# Altium PCB board.PcbDoc (part 1 of 4)
Units mm, origin at the board's own origin, x right, y up, seen from the top; angles counter-clockwise.
Board outline 300 x 184 mm, 2 copper layers (Top Layer, Bottom Layer); 398 components, 261 nets, 1329 pads, 584 vias.
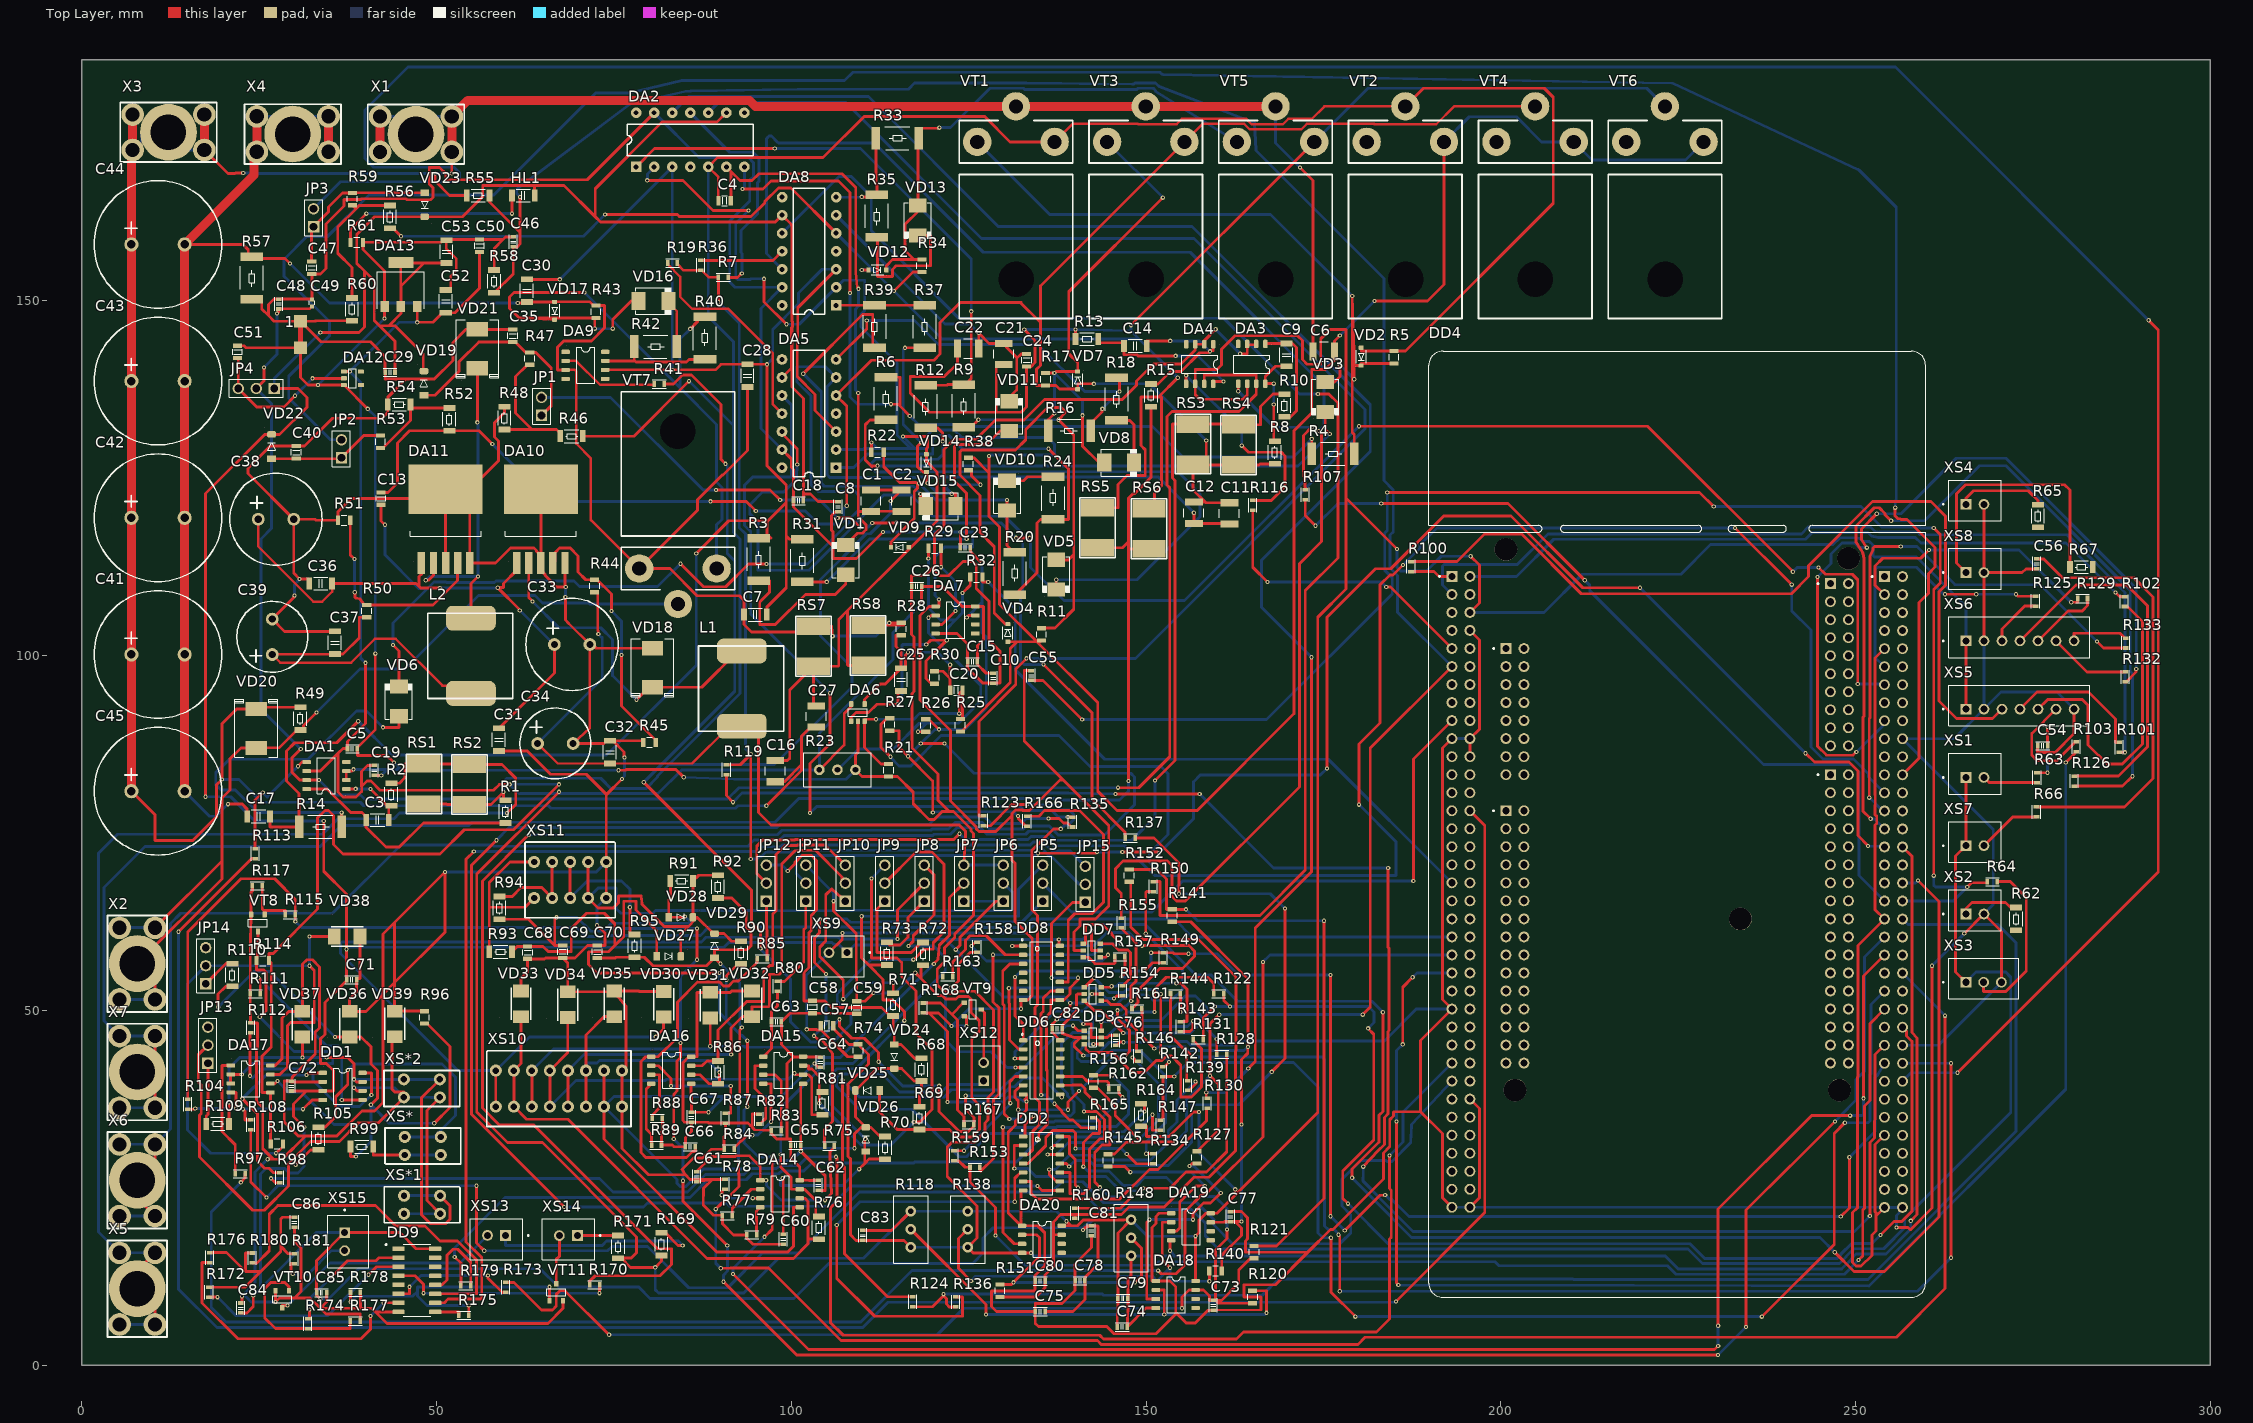
[diagram p0: Top Layer view]
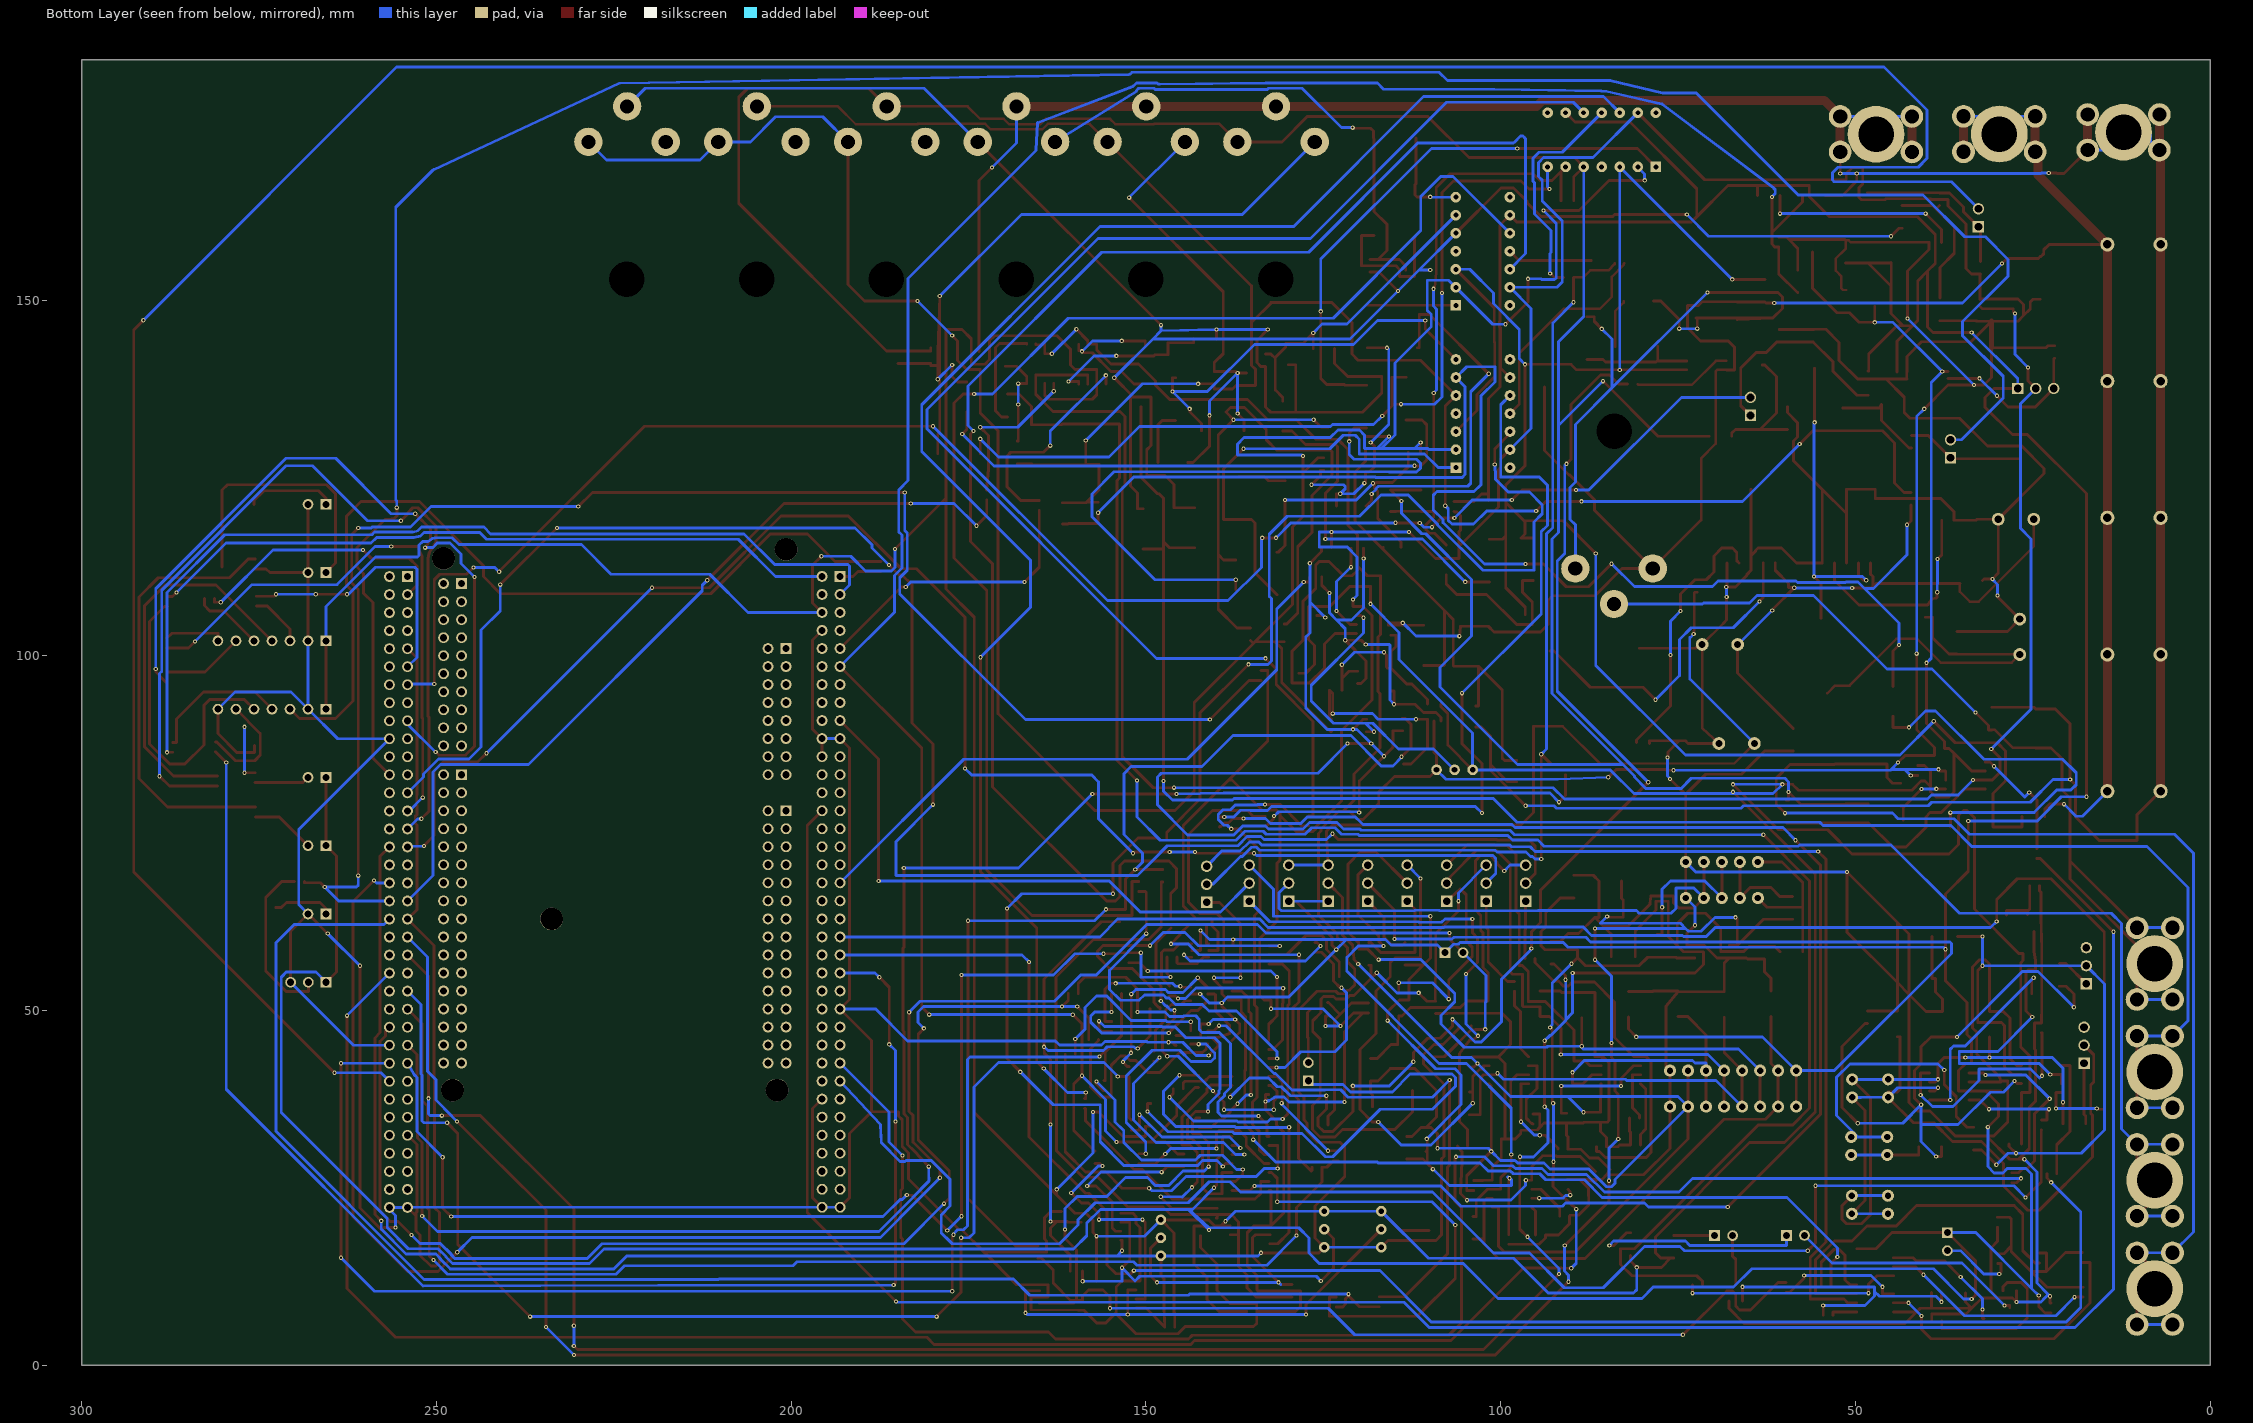
[diagram p1: Bottom Layer view, seen from below]

## Layer stack, top to bottom
Top Solder: solder mask 0.0102, Solder Resist, Dk 3.5
Top Layer: signal copper 0.009
Dielectric 1: dielectric 0.32, FR-4, Dk 4.8
Bottom Layer: signal copper 0.009
Bottom Solder: solder mask 0.0102, Solder Resist, Dk 3.5

## Board outline
0,0 0,184 300,184 300,0

## Design rules (kind name [scope] priority, off if disabled: settings)
AcuteAngle [All] p1: minimum=3.50000000000000E+0001 checktracksonly=FALSE
BoardOutlineClearance "BoardOutlineClearance 1" [All] p1: gap=0.25 ignorepadtopadclearanceinfootprint=FALSE except(0: Arc-SplitContinuation Track-SplitContinuation SMDPad-SplitContinuation THPad-SplitContinuation Via-SplitContinuation Fill-SplitContinuation Poly-SplitContinuation Region-SplitContinuation Text-SplitContinuation) // Milling
BoardOutlineClearance "BoardOutlineClearance 2" [All] p2: gap=0.4 ignorepadtopadclearanceinfootprint=FALSE except(0: Arc-SplitContinuation Track-SplitContinuation SMDPad-SplitContinuation THPad-SplitContinuation Via-SplitContinuation Fill-SplitContinuation Poly-SplitContinuation Region-SplitContinuation Text-SplitContinuation) // V-Cut
Clearance "Clearance 3 Oz" [All] p1: gap=0.35 ignorepadtopadclearanceinfootprint=FALSE except(0.25: Arc-Hole Track-Hole SMDPad-Hole THPad-Hole Via-Hole Fill-Hole Poly-Hole Region-Hole Text-Hole)
Clearance "Clearance 2 Oz" [All] p2: gap=0.3 ignorepadtopadclearanceinfootprint=FALSE except(0.25: Arc-Hole Track-Hole SMDPad-Hole THPad-Hole Via-Hole Fill-Hole Poly-Hole Region-Hole Text-Hole)
Clearance "Clearance-1 1 Oz" [All] p3: gap=0.2 ignorepadtopadclearanceinfootprint=FALSE except(0.25: Arc-Hole Track-Hole SMDPad-Hole THPad-Hole Via-Hole Fill-Hole Poly-Hole Region-Hole Text-Hole) // Standart
Clearance "Clearance-2 1 Oz" [All] p4: gap=0.15 ignorepadtopadclearanceinfootprint=FALSE except(0.2: Arc-Fill Arc-Poly Track-Fill Track-Poly SMDPad-Fill SMDPad-Poly THPad-Fill THPad-Poly Via-Fill Via-Poly Fill-Fill Fill-Poly Poly-Poly; 0.25: Arc-Hole Track-Hole SMDPad-Hole THPad-Hole Via-Hole Fill-Hole Poly-Hole Region-Hole Text-Hole) // Advance
Clearance "Clearance-1 1/2 Oz" [All] p5: gap=0.125 ignorepadtopadclearanceinfootprint=FALSE except(0.2: Arc-Fill Arc-Poly Track-Fill Track-Poly SMDPad-SMDPad SMDPad-Fill SMDPad-Poly THPad-Fill THPad-Poly Via-Fill Via-Poly Fill-Fill Fill-Poly Poly-Poly Poly-Region Poly-Text; 0.25: Arc-Hole Track-Hole SMDPad-Hole THPad-Hole Via-Hole Fill-Hole Poly-Hole Region-Hole Text-Hole) // Standart
Clearance "Clearance-2 1/2 Oz" [All] p6: gap=0.1 ignorepadtopadclearanceinfootprint=FALSE except(0.15: Arc-Fill Arc-Poly Track-Fill Track-Poly SMDPad-SMDPad SMDPad-Fill SMDPad-Poly THPad-Fill THPad-Poly Via-Fill Via-Poly Fill-Fill Fill-Poly Poly-Poly Poly-Region Poly-Text; 0.25: Arc-Hole Track-Hole SMDPad-Hole THPad-Hole Via-Hole Fill-Hole Poly-Hole Region-Hole Text-Hole) // Advance
DiffPairsRouting "DiffPairsRouting 1 Oz" [All] p1: maxlimit=0.254 minlimit=0.2 mostfreqgap=0.254 toplayer_minwidth=0.2 toplayer_maxwidth=0.381 toplayer_prefwidth=0.381 bottomlayer_minwidth=0.2 bottomlayer_maxwidth=0.381 bottomlayer_prefwidth=0.381 maxuncoupledlength=12.7
DiffPairsRouting "DiffPairsRouting 1/2 Oz" [All] p2: maxlimit=0.254 minlimit=0.1 mostfreqgap=0.254 toplayer_minwidth=0.1 toplayer_maxwidth=0.381 toplayer_prefwidth=0.381 bottomlayer_minwidth=0.1 bottomlayer_maxwidth=0.381 bottomlayer_prefwidth=0.381 maxuncoupledlength=12.7
Height [All] p1: minheight=0 maxheight=27 prefheight=12.7
HoleSize "Minimum HoleSize" [IsPad] p1: absolutevalues=TRUE maxlimit=5.9 minlimit=0.6 maxpercent=80.000 minpercent=20.000
HoleSize "Minimum HoleSize VIA 1" [IsVia] p2: absolutevalues=TRUE maxlimit=5.9 minlimit=0.3 maxpercent=80.000 minpercent=20.000 // Standart
HoleSize "Minimum HoleSize VIA 2" [IsVia] p3: absolutevalues=TRUE maxlimit=5.9 minlimit=0.2 maxpercent=80.000 minpercent=20.000 // Advance
HoleToHoleClearance Hole2HoleClearance [All] p1: gap=0.25 allowstackedmicrovias=FALSE
MinimumAnnularRing "Minimum AR VIA Standart" [IsVia] p1: minimumring=0.15
MinimumAnnularRing "Minimum AR PAD Standart" [IsPAD] p2: minimumring=0.2
MinimumAnnularRing "Minimum AR VIA Advance" [IsVia] p3: minimumring=0.1
MinimumAnnularRing "Minimum AR PAD Advance" [IsPAD] p4: minimumring=0.15
MinimumSolderMaskSliver "SolderMask Bridge Standart" [All] p1: minsoldermaskwidth=0.15 // All Masks
MinimumSolderMaskSliver "SolderMask Bridge Advance" [All] p2: minsoldermaskwidth=0.1 // Mask LDI
PlaneClearance "PlaneClearance 3 Oz" [All] p1: clearance=0.35
PlaneClearance "PlaneClearance 2 Oz" [All] p2: clearance=0.3
PlaneClearance "PlaneClearance 1 Oz" [All] p3: clearance=0.2
PlaneClearance "PlaneClearance-1 1/2 Oz" [All] p4: clearance=0.2 // Standart
PlaneClearance "PlaneClearance-2 1/2 Oz" [All] p5: clearance=0.15 // Advance
PlaneConnect "TermalConnect 3 Oz" [All] p1: planeconnectstyle=Relief reliefexpansion=0.2 reliefentries=4 reliefconductorwidth=0.35 reliefairgap=0.35 // Standart
PlaneConnect "TermalConnect 2 Oz" [All] p2: planeconnectstyle=Relief reliefexpansion=0.2 reliefentries=4 reliefconductorwidth=0.3 reliefairgap=0.3 // Standart
PlaneConnect "TermalConnect-1 1 Oz" [All] p3: planeconnectstyle=Relief reliefexpansion=0.2 reliefentries=4 reliefconductorwidth=0.2 reliefairgap=0.2 // Standart
PlaneConnect "TermalConnect-2 1 Oz" [All] p4: pad.planeconnectstyle=Relief pad.reliefexpansion=0.15 pad.reliefentries=4 pad.reliefconductorwidth=0.2 pad.reliefairgap=0.2 via.planeconnectstyle=Direct via.reliefexpansion=0.15 via.reliefentries=4 via.reliefconductorwidth=0.15 via.reliefairgap=0.15 // Advance
PlaneConnect "TermalConnect-1 1/2 Oz" [All] p5: planeconnectstyle=Relief reliefexpansion=0.2 reliefentries=4 reliefconductorwidth=0.2 reliefairgap=0.2 // Standart
PlaneConnect "TermalConnect-2 1/2 Oz" [All] p6: pad.planeconnectstyle=Relief pad.reliefexpansion=0.15 pad.reliefentries=4 pad.reliefconductorwidth=0.15 pad.reliefairgap=0.15 via.planeconnectstyle=Direct via.reliefexpansion=0.15 via.reliefentries=4 via.reliefconductorwidth=0.15 via.reliefairgap=0.15 // Advance
PolygonConnect "PolygonConnect 3 Oz" [All] p1: thpad.connectstyle=Relief thpad.reliefconductorwidth=0.35 thpad.reliefentries=4 thpad.polygonreliefangle="90 Angle" thpad.airgapwidth=0.35 smdpad.connectstyle=Relief smdpad.reliefconductorwidth=0.35 smdpad.reliefentries=4 smdpad.polygonreliefangle="90 Angle" smdpad.airgapwidth=0.35 via.connectstyle=Direct via.reliefconductorwidth=0.254 via.reliefentries=4 via.polygonreliefangle="90 Angle" via.airgapwidth=0.254
PolygonConnect "PolygonConnect 2 Oz" [All] p2: thpad.connectstyle=Relief thpad.reliefconductorwidth=0.3 thpad.reliefentries=4 thpad.polygonreliefangle="90 Angle" thpad.airgapwidth=0.3 smdpad.connectstyle=Relief smdpad.reliefconductorwidth=0.3 smdpad.reliefentries=4 smdpad.polygonreliefangle="90 Angle" smdpad.airgapwidth=0.3 via.connectstyle=Direct via.reliefconductorwidth=0.254 via.reliefentries=4 via.polygonreliefangle="90 Angle" via.airgapwidth=0.254
PolygonConnect "PolygonConnect-1 1 Oz" [All] p3: thpad.connectstyle=Relief thpad.reliefconductorwidth=0.2 thpad.reliefentries=4 thpad.polygonreliefangle="90 Angle" thpad.airgapwidth=0.2 smdpad.connectstyle=Relief smdpad.reliefconductorwidth=0.2 smdpad.reliefentries=4 smdpad.polygonreliefangle="90 Angle" smdpad.airgapwidth=0.2 via.connectstyle=Direct via.reliefconductorwidth=0.254 via.reliefentries=4 via.polygonreliefangle="90 Angle" via.airgapwidth=0.254 // Standart
PolygonConnect "PolygonConnect-2 1 Oz" [All] p4: thpad.connectstyle=Relief thpad.reliefconductorwidth=0.15 thpad.reliefentries=4 thpad.polygonreliefangle="90 Angle" thpad.airgapwidth=0.15 smdpad.connectstyle=Relief smdpad.reliefconductorwidth=0.15 smdpad.reliefentries=4 smdpad.polygonreliefangle="90 Angle" smdpad.airgapwidth=0.15 via.connectstyle=Direct via.reliefconductorwidth=0.254 via.reliefentries=4 via.polygonreliefangle="90 Angle" via.airgapwidth=0.254 // Advance
PolygonConnect "PolygonConnect-1 1/2 Oz" [All] p5: thpad.connectstyle=Relief thpad.reliefconductorwidth=0.15 thpad.reliefentries=4 thpad.polygonreliefangle="90 Angle" thpad.airgapwidth=0.2 smdpad.connectstyle=Relief smdpad.reliefconductorwidth=0.2 smdpad.reliefentries=4 smdpad.polygonreliefangle="90 Angle" smdpad.airgapwidth=0.2 via.connectstyle=Direct via.reliefconductorwidth=0.254 via.reliefentries=4 via.polygonreliefangle="90 Angle" via.airgapwidth=0.254 // Standart
PolygonConnect "PolygonConnect-2 1/2 Oz" [All] p6: thpad.connectstyle=Relief thpad.reliefconductorwidth=0.125 thpad.reliefentries=4 thpad.polygonreliefangle="90 Angle" thpad.airgapwidth=0.15 smdpad.connectstyle=Relief smdpad.reliefconductorwidth=0.125 smdpad.reliefentries=4 smdpad.polygonreliefangle="90 Angle" smdpad.airgapwidth=0.15 via.connectstyle=Direct via.reliefconductorwidth=0.254 via.reliefentries=4 via.polygonreliefangle="90 Angle" via.airgapwidth=0.254 // Advance
RoomDefinition power [InComponentClass('power')] p1: confinementstyle=ConfineIn formatcopy=TRUE lockcomponents=FALSE outline 0.725,-11.625 101.675,-11.625 101.675,183.075 0.725,183.075
RoomDefinition Voltege_inverter [InComponentClass('Voltege_inverter')] p2: confinementstyle=ConfineIn formatcopy=TRUE lockcomponents=FALSE outline 1.4,49.325 235.075,49.325 235.075,181.65 1.4,181.65
RoomDefinition protections_1 [InComponentClass('protections_1')] p3: confinementstyle=ConfineIn formatcopy=TRUE lockcomponents=FALSE outline 0.225,-36.925 168.225,-36.925 168.225,183.75 0.225,183.75
RoomDefinition protections [InComponentClass('protections')] p4: confinementstyle=ConfineIn formatcopy=TRUE lockcomponents=FALSE outline 0.05,-73.675 478.574,-73.675 478.574,183.95 0.05,183.95
RoomDefinition position_sensors [InComponentClass('position_sensors')] p5: confinementstyle=ConfineIn formatcopy=TRUE lockcomponents=FALSE outline 0.1,-43.125 447.049,-43.125 447.049,183.875 0.1,183.875
RoomDefinition Control_part [InComponentClass('Control_part')] p6: confinementstyle=ConfineIn formatcopy=TRUE lockcomponents=FALSE outline 1.1,4.625 293.425,4.625 293.425,182.6 1.1,182.6
RoomDefinition Communication_interfaces [InComponentClass('Communication_interfaces')] p7: confinementstyle=ConfineIn formatcopy=TRUE lockcomponents=FALSE outline 0.425,-18.525 205.225,-18.525 205.225,183.5 0.425,183.5
RoutingCorners [All] p1 off: cornerstyle=45-Degree minsetback=2.54 maxsetback=2.54
RoutingVias [All] p1: holewidth=0.3 width=0.6 viastyle="Through Hole" minholewidth=0.2 minwidth=0.4 maxholewidth=5.9 maxwidth=6.4
SilkToSilkClearance Silk2SilkClearance [All] p1 off: silktosilkclearance=0.15
SilkToSolderMaskClearance Silk2SolderMaskClearance [IsPad] p1 off: minsilkscreentomaskgap=0.15 clearancetoexposedcopper=TRUE
SolderMaskExpansion SolderMaskExpansion-1 [All] p1: expansion=0.05 istentingtop=FALSE // Standart
SolderMaskExpansion "SolderMaskExpansion LDI" [All] p2: expansion=0.025 istentingtop=FALSE // Advance
UnRoutedNet [All] p1: checkbadconnections=TRUE
Width "Width 3 Oz" [All] p1: maxlimit=10 minlimit=0.35 preferedwidth=0.4 checkconnectedcopper=TRUE
Width "Width 2 Oz" [All] p2: maxlimit=10 minlimit=0.3 preferedwidth=0.35 minimp=50.000000 maximp=50.000000 favimp=50.000000 checkconnectedcopper=TRUE
Width "Width 1 Oz" [All] p3: maxlimit=10 minlimit=0.15 preferedwidth=0.2 checkconnectedcopper=TRUE
Width "Width 1/2 Oz" [All] p4: maxlimit=10 minlimit=0.1 preferedwidth=0.125 checkconnectedcopper=TRUE
19 further rules are at their usual default settings.

## Classes and differential pairs
component class Voltege_inverter: C1 C2 C3 C4 C5 C6 C7 C8 C9 C10 C11 C12 C13 C14 C15 C16 C17 C18 C19 C20 C21 C22 C23 C24 C25 C26 C27 C28 C29 DA1 DA2 DA3 DA4 DA5 DA6 DA7 DA8 R1 R2 R3 R4 R5 R6 R7 R8 R9 R10 R11 R12 R13 R14 R15 R16 R17 R18 R19 R20 R21 R22 R23 R24 R25 R26 R27 R28 R29 R30 R31 R32 R33 R34 R35 R36 R37 R38 R39 RS1 RS2 RS3 RS4 RS5 RS6 RS7 RS8 VD1 VD2 VD3 VD4 VD5 VD6 VD7 VD8 VD9 VD10 VD11 VD12 VD13 VD14 VD15 VT1 VT2 VT3 VT4 VT5 VT6
component class protections: C73 C74 C75 C76 C77 C78 C79 C80 C81 C82 C83 C84 DA18 DA19 DA20 DD2 DD3 DD5 DD6 DD7 DD8 JP15 R118 R120 R121 R122 R123 R124 R127 R128 R130 R131 R134 R135 R136 R137 R138 R139 R140 R141 R142 R143 R144 R145 R146 R147 R148 R149 R150 R151 R152 R153 R154 R155 R156 R157 R158 R159 R160 R161 R162 R163 R164 R165 R166 R167 R168 VT9 XS12
component class protections_1: C85 C86 DD9 R169 R170 R171 R172 R173 R174 R175 R176 R177 R178 R179 R180 R181 VT10 VT11 XS13 XS14 XS15
component class power: 1 C30 C31 C32 C33 C34 C35 C36 C37 C38 C39 C40 C41 C42 C43 C44 C45 C46 C47 C48 C49 C50 C51 C52 C53 DA9 DA10 DA11 DA12 DA13 HL1 JP1 JP2 JP3 JP4 L1 L2 R40 R41 R42 R43 R44 R45 R46 R47 R48 R49 R50 R51 R52 R53 R54 R55 R56 R57 R58 R59 R60 R61 VD16 VD17 VD18 VD19 VD20 VD21 VD22 VD23 VT7 X1 X2 X3 X4 X5 X6 X7
component class position_sensors: C57 C58 C59 C60 C61 C62 C63 C64 C65 C66 C67 C68 C69 C70 DA14 DA15 DA16 JP5 JP6 JP7 JP8 JP9 JP10 JP11 JP12 R68 R69 R70 R71 R72 R73 R74 R75 R76 R77 R78 R79 R80 R81 R82 R83 R84 R85 R86 R87 R88 R89 R90 R91 R92 R93 R94 R95 VD24 VD25 VD26 VD27 VD28 VD29 VD30 VD31 VD32 VD33 VD34 VD35 XS9 XS10 XS11
component class Control_part: C54 C55 C56 DD4 R62 R63 R64 R65 R66 R67 R100 R101 R102 R103 R107 R113 R116 R119 R125 R126 R129 R132 R133 XS1 XS2 XS3 XS4 XS5 XS6 XS7 XS8
component class Communication_interfaces: C71 C72 DA17 DD1 JP13 JP14 R96 R97 R98 R99 R104 R105 R106 R108 R109 R110 R111 R112 R114 R115 R117 VD36 VD37 VD38 VD39 VT8 XS* XS*1 XS*2

## Components (designator, comment, footprint, x,y, rotation, side; value= is the part's Value field where it differs from the comment)
1 "Net Tie" "Net Tie" 30.85,143.375 r90 top net-tie
C1 "Capacitor" CC1210 111.25,121.825 r270 top value="4.7 мкФ"
C2 "Capacitor" CC1210 115.55,121.825 r90 top value="4.7 мкФ"
C3 "Capacitor" CC1206#1 41.7,76.825 r0 top value="0.1 мкФ"
C4 "Capacitor" CC0805 90.625,164.1 r0 top value="0,1 мкФ"
C5 "Capacitor" CC0603 38.175,86.9 r180 top value="0.1 мкФ"
C6 "Capacitor" CC1210 175.05,142.85 r0 top value="4.7 мкФ"
C7 "Capacitor" CC1206#1 94.95,105.775 r0 top value="0.47 мкФ"
C8 "Capacitor" CC0603 106.6,121 r90 top value="0.1 мкФ"
C9 "Capacitor" CC1206#1 169.775,142.375 r90 top value="0.1 мкФ"
C10 "Capacitor" CC0603 128.45,96.825 r90 top value="0.1 мкФ"
C11 "Capacitor" CC1210 161.75,120.05 r270 top value="4.7 мкФ"
C12 "Capacitor" CC1210 156.75,120.125 r90 top value="4.7 мкФ"
C13 "Capacitor" CC0805 42.2,122.125 r270 top value="0,1 мкФ"
C14 "Capacitor" CC1206#1 148.5,143.65 r0 top value="0.1 мкФ"
C15 "Capacitor" CC0603 125.55,99.15 r0 top value="0.1 мкФ"
C16 "Capacitor" CC1210 97.75,83.725 r90 top value="4.7 мкФ"
C17 "Capacitor" CC1206#1 24.95,77.35 r0 top value="0.47 мкФ"
C18 "Capacitor" CC0603 101.025,121.85 r0 top value="0.1 мкФ"
C19 "Capacitor" CC0603 41.25,83.825 r270 top value="0.1 мкФ"
C20 "Capacitor" CC0805 123.275,95.125 r180 top value="10 нФ"
C21 "Capacitor" CC1210 129.95,142.5 r90 top value="4.7 мкФ"
C22 "Capacitor" CC1210 124.925,143.275 r180 top value="4.7 мкФ"
C23 "Capacitor" CC0603 124.55,115.225 r0 top value="0.1 мкФ"
C24 "Capacitor" CC0805 133.175,141.625 r90 top value="0,1 мкФ"
C25 "Capacitor" CC1206#1 115.475,96.625 r270 top value="0.1 мкФ"
C26 "Capacitor" CC0603 117.675,109.775 r180 top value="0.1 мкФ"
C27 "Capacitor" CC1210 103.525,91.425 r90 top value="4.7 мкФ"
C28 "Capacitor" CC1206#1 93.85,139.45 r90 top value="0.47 мкФ"
C29 "Capacitor" CC0603 43.475,139.95 r0 top value="0.1 мкФ"
C30 "Capacitor" CC1206#1 62.75,151.425 r90 top value="0.47 мкФ"
C31 "Capacitor" CC1206#1 58.8,88.15 r90 top value="4,7 мкФ"
C32 "Capacitor" CC1206#1 74.45,86.4 r270 top value="4,7 мкФ"
C33 "EXR471M50B" CAP-5-12.5 69.125,101.575 r0 top value="470 мкФ"
C34 "B41858C7227M" CAP-5-10 66.775,87.625 r0 top value="220 мкФ"
C35 "Capacitor" CC0805 60.775,145.075 r270 top value="33 нФ"
C36 "Capacitor" CC1206#1 33.7,110.175 r0 top value="4,7 мкФ"
C37 "Capacitor" CC1206#1 35.7,101.825 r270 top value="4,7 мкФ"
C38 "EXR471M50B" CAP-5-12.5 27.4,119.225 r0 top value="470 мкФ"
C39 "B41858C7227M" CAP-5-10 26.875,102.65 r90 top value="220 мкФ"
C40 "Capacitor" CC0805 30.25,128.65 r270 top value="33 нФ"
C41 "Сapacitor pol" CAP-7.5-18 10.775,100.262 r0 top value="390 мкФ"
C42 "Сapacitor pol" CAP-7.5-18 10.775,119.525 r0 top value="390 мкФ"
C43 "Сapacitor pol" CAP-7.5-18 10.775,138.787 r0 top value="390 мкФ"
C44 "Сapacitor pol" CAP-7.5-18 10.775,158.05 r0 top value="390 мкФ"
C45 "Сapacitor pol" CAP-7.5-18 10.775,81 r0 top value="390 мкФ"
C46 "Capacitor" CC0603 60.825,158.3 r270 top value="0.1 мкФ"
C47 "Capacitor" CC0805 32.425,154.65 r90 top value="33 нФ"
C48 "Capacitor" CC0603 27.8,149.55 r90 top value="1 мкФ"
C49 "Capacitor" CC0402 32.475,149.7 r90 top value="10 нф"
C50 "Capacitor" CC0805 56.075,157.75 r90 top value="1 мкФ"
C51 "Capacitor" CC0805 21.975,142.8 r90 top value="1 мкФ"
C52 "Capacitor" CC1206#1 51.325,149.925 r90 top value="10 мкФ"
C53 "Capacitor" CC1206#1 51.425,156.925 r90 top value="10 мкФ"
C54 "Capacitor" CC0603 276.35,87.325 r0 top value="0.1 мкФ"
C55 "Capacitor" CC0603 133.8,97.2 r270 top value="10 нФ"
C56 "Capacitor" CC0603 275.525,112.925 r90 top value="0.1 мкФ"
C57 "Capacitor" CC0805 105.05,47.85 r180 top value="0.1 мкФ"
C58 "Capacitor" CC0805 103,50.475 r90 top value="10 нФ"
C59 "Capacitor" CC0805 109.225,50.425 r90 top value="10 нФ"
C60 "Capacitor" CC0603 98.875,17.75 r90 top value="10 нФ"
C61 "Capacitor" CC0603 86.675,26.6 r270 top value="10 пФ"
C62 "Capacitor" CC0603 103.825,25.35 r270 top value="0.1 мкФ"
C63 "Capacitor" CC0603 97.925,48.4 r0 top value="10 пФ"